# Altium PCB NG2093.PcbDoc (part 3 of 8) (continued)
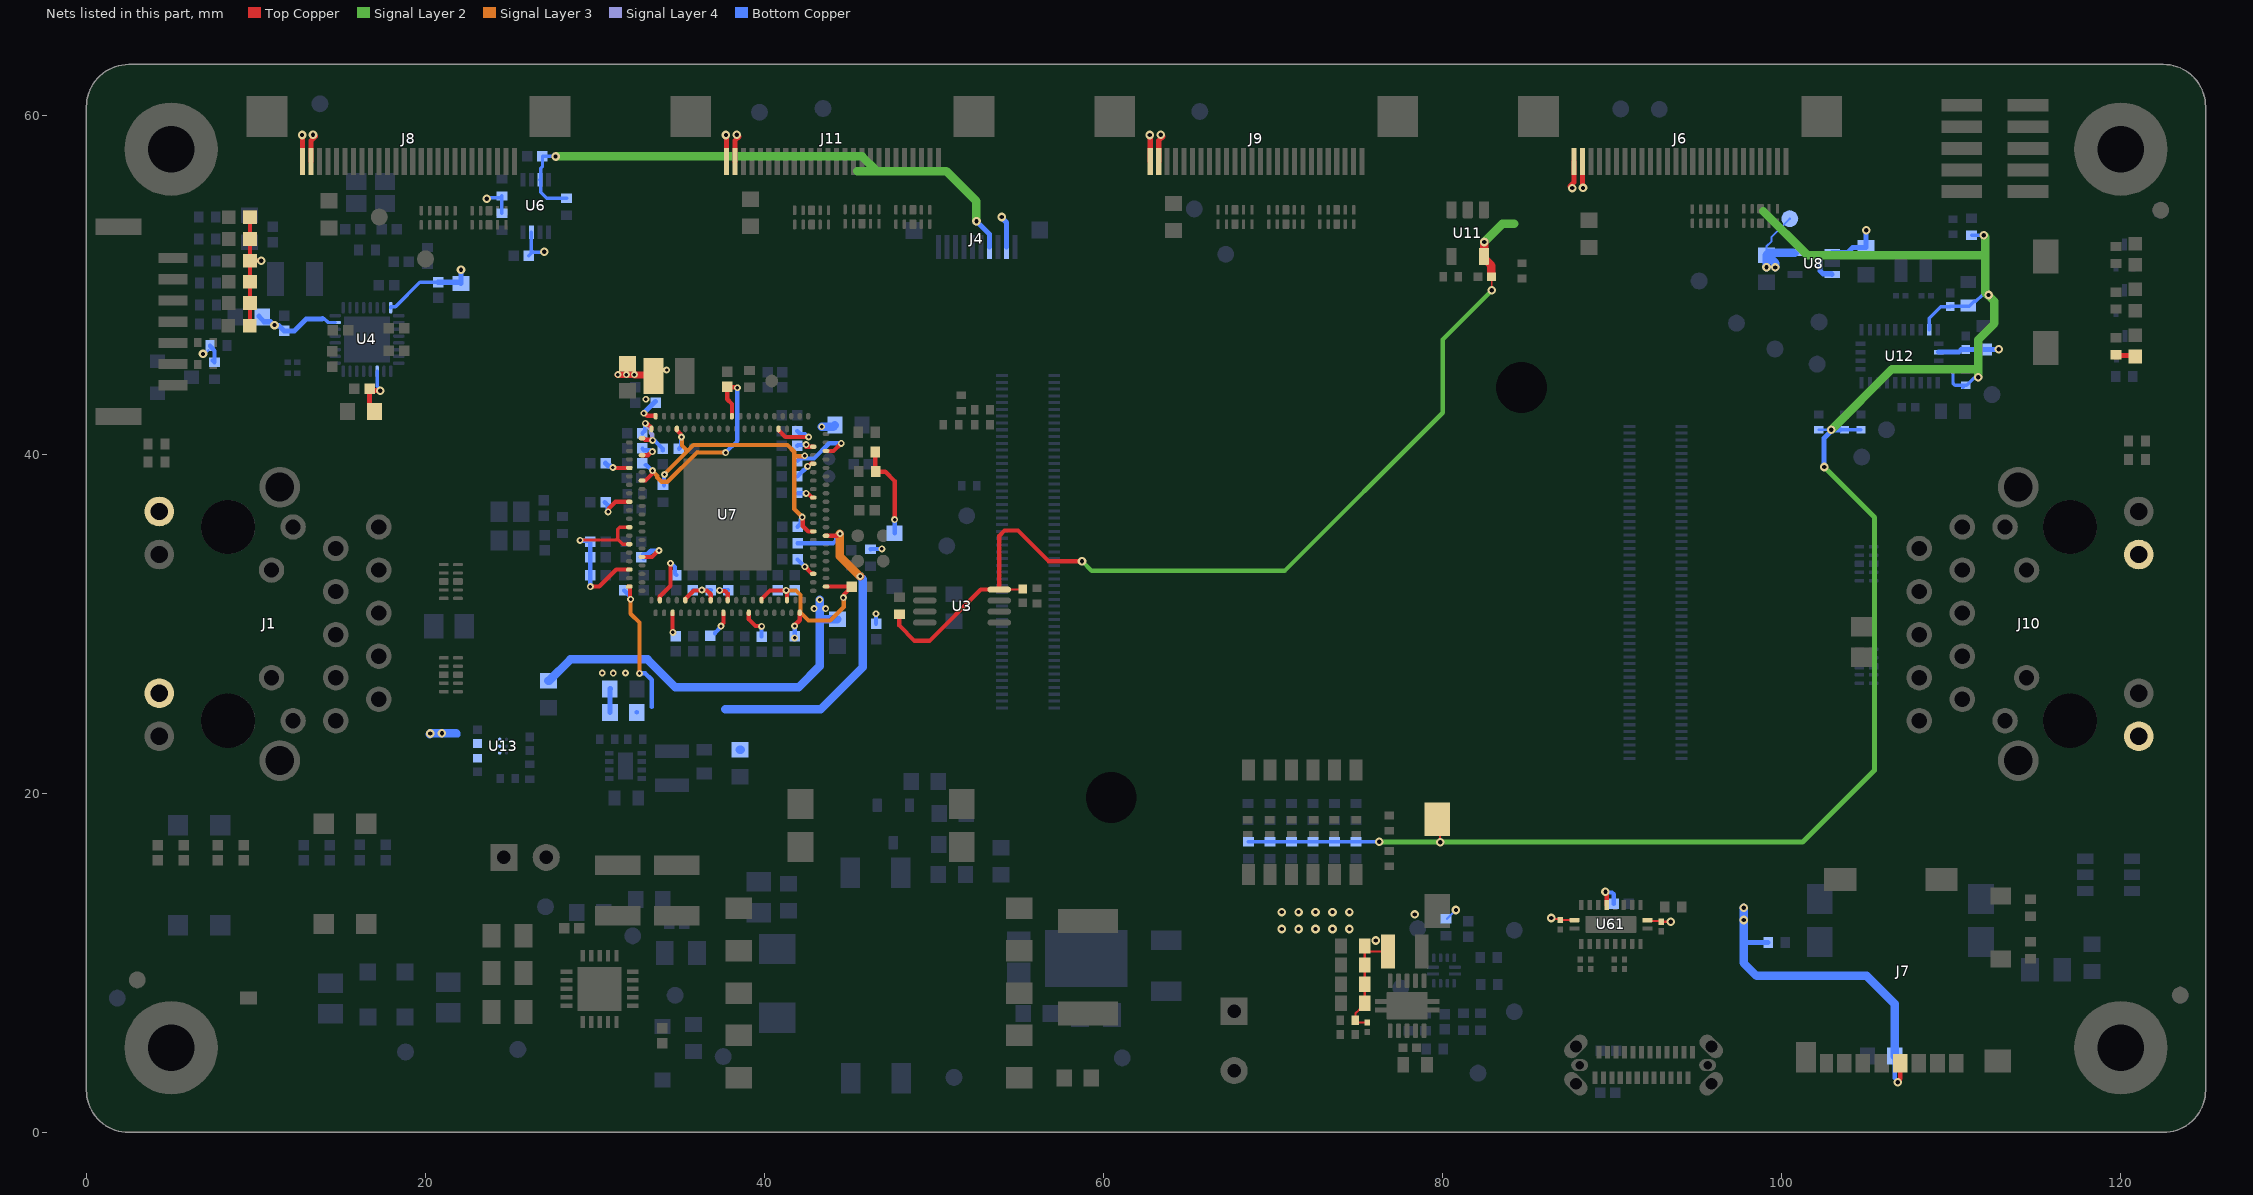
[diagram p7: the nets of this part, all layers, seen from the top]
## Part data (continued)
U6: library part TXS0102DCUR, "TEXAS INSTRUMENTS - TXS0102DCUR - IC, TRANSLATOR, 2 BIT, BI, US-8", Case/Package=VSSOP, High Level Output Current=-20uA, Low Level Output Current=1mA, Manufacturer 1="Texas Instruments", Max Operating Temperature=85°C, Max Supply Voltage=5.5V, Min Operating Temperature=-40°C, Min Supply Voltage=1.65V, Nominal Supply Current=14.4uA, Output Current=1A, Package Quantity=1, Supplier Part Number 1=296-21931-1-ND, Category="Logic Gates", ComponentLink1Description=https://datasheet.ciiva.com/15096/getdatasheetpartid-118249-15096172.pdf?src-supplier=Verical, ComponentLink1URL=https://datasheet.ciiva.com/15096/getdatasheetpartid-118249-15096172.pdf?src-supplier=Verical, ComponentLink2Description=https://datasheet.ciiva.com/22653/1846850-22653373.pdf?src-supplier=Farnell, ComponentLink2URL=https://datasheet.ciiva.com/22653/1846850-22653373.pdf?src-supplier=Farnell, ComponentLink3Description=https://datasheet.ciiva.com/1508/1857232-1508821.pdf?src-supplier=Element14, ComponentLink3URL=https://datasheet.ciiva.com/1508/1857232-1508821.pdf?src-supplier=Element14, ComponentLink4Description=https://datasheet.ciiva.com/1899/txs0102-1899368.pdf?src-supplier=Digi-Key, ComponentLink4URL=https://datasheet.ciiva.com/1899/txs0102-1899368.pdf?src-supplier=Digi-Key, ComponentLink5Description=https://datasheet.ciiva.com/1899/txs0102-1899369.pdf?src-supplier=Digi-Key, ComponentLink5URL=https://datasheet.ciiva.com/1899/txs0102-1899369.pdf?src-supplier=Digi-Key, ComponentLink6Description=https://datasheet.ciiva.com/1899/txs0102-1899370.pdf?src-supplier=Digi-Key, ComponentLink6URL=https://datasheet.ciiva.com/1899/txs0102-1899370.pdf?src-supplier=Digi-Key, ComponentLink7Description=https://datasheet.ciiva.com/14287/txs0102-14287516.pdf?src-supplier=Avnet, ComponentLink7URL=https://datasheet.ciiva.com/14287/txs0102-14287516.pdf?src-supplier=Avnet, ComponentLink8Description=https://datasheet.ciiva.com/28499/1863639-28499676.pdf?src-supplier=Element14, ComponentLink8URL=https://datasheet.ciiva.com/28499/1863639-28499676.pdf?src-supplier=Element14, ComponentLink9Description=https://datasheet.ciiva.com/14287/txs0102-14287518.pdf?src-supplier=Avnet, ComponentLink9URL=https://datasheet.ciiva.com/14287/txs0102-14287518.pdf?src-supplier=Avnet, ComponentLink10Description=https://datasheet.ciiva.com/46395/1863639-46395871.pdf?src-supplier=Element14, ComponentLink10URL=https://datasheet.ciiva.com/46395/1863639-46395871.pdf?src-supplier=Element14, Data Rate=24Mbps, Lead Free="Lead Free", Logic Function=Translator, Manufacturer Part Number 1=TXS0102DCUR, Number of Bits=2, Number of Channels=2, Number of Inputs=2, Number of Pins=8, Output Type=Voltage, Packaging="Tape and Reel", Pricing 1="1=0.75000, 10=0.65900, 25=0.61960, 100=0.50550, 250=0.46956, 500=0.39964, 1000=0.31971 (USD)", Propagation Delay=4.6ns, Quiescent Current=14.4uA, Radiation Hardening=No, REACH SVHC="No SVHC", RoHS=Yes, Stock 1=55123, Supplier 1=Digi-Key, Supplier 2=Newark, Supplier 3=Mouser, Supplier Part Number 2=30M1878, Supplier Part Number 3=595-TXS0102DCUR, Turn-On Delay Time=260ns, Weight=0.000339oz
U7: "Seven-port Gigabit Ethernet Switch", Manufacturer 1="Qualcomm Atheros", Manufacturer Part Number 1=AR8327N-AL1A, Supplier 1=KingTop, Supplier Part Number 1=AR8327N-AL1A
U8: "IC REG LINEAR 1.8V 200MA SC70-5 Linear Voltage Regulator IC  1 Output  200mA SC-70-5", Case/Package=SC, Dropout Voltage=175mV, Manufacturer 1="Texas Instruments", Manufacturer Part Number 1=TLV70018DCKR, Manufacturer Part Number 2=TLV70018DCKT, Max Input Voltage=5.5V, Max Operating Temperature=125°C, Max Output Current=200mA, Max Output Voltage=1.8V, Max Power Dissipation=320mW, Min Current Limit=220mA, Min Input Voltage=2V, Min Operating Temperature=-40°C, Nominal Supply Current=31uA, Output Voltage Accuracy=2%, Package Quantity=1, Quiescent Current=30uA, Supplier Part Number 1=296-32409-1-ND, Accuracy=2%, ComponentLink1Description=https://datasheet.ciiva.com/41462/001014631-da-01-en-ic-reg-ldo-1-8v-0-tlv70018dckr-sot-5-tid-41462480.pdf?src-supplier=Conrad, ComponentLink1URL=https://datasheet.ciiva.com/41462/001014631-da-01-en-ic-reg-ldo-1-8v-0-tlv70018dckr-sot-5-tid-41462480.pdf?src-supplier=Conrad, ComponentLink2Description=https://datasheet.ciiva.com/22700/1882059-22700171.pdf?src-supplier=Element14, ComponentLink2URL=https://datasheet.ciiva.com/22700/1882059-22700171.pdf?src-supplier=Element14, ComponentLink3Description=https://datasheet.ciiva.com/14149/tlv700-eng-ds-14149837.pdf?src-supplier=Distrelec, ComponentLink3URL=https://datasheet.ciiva.com/14149/tlv700-eng-ds-14149837.pdf?src-supplier=Distrelec, ComponentLink4Description=https://datasheet.ciiva.com/7992/1882059-7992894.pdf?src-supplier=Element14, ComponentLink4URL=https://datasheet.ciiva.com/7992/1882059-7992894.pdf?src-supplier=Element14, Contact Plating=Gold, Height=1mm, Lead Free="Lead Free", Length=2.15mm, Manufacturer 2="Texas Instruments", Min Output Voltage=1.8V, Nominal Output Voltage=1.8V, Number of Outputs=1, Number of Pins=5, Number of Regulators=1, Output Current=200mA, Output Type=Fixed, Output Voltage=1.8V, Packaging="Tape and Reel", Polarity=Positive, Power Dissipation=320mW, Power Rating=320mW, Pricing 1="1=0.48000, 10=0.40900, 100=0.30570, 500=0.24020, 1000=0.18561 (USD)", Pricing 2="1=0.55000, 10=0.46700, 100=0.34900 (USD)", Radiation Hardening=No, REACH SVHC="No SVHC", RoHS=Yes, Stock 1=63905, Stock 2=13188, Supplier 1=Digi-Key, Supplier 2=Digi-Key, Supplier Part Number 2=296-25269-1-ND, Width=1.4mm
U9: "Switching Regulator, Voltage-mode, 3A, 1000kHz Switching Freq-Max, PDSO10", Manufacturer 1="Texas Instruments", Manufacturer Part Number 1=TPS51313DRCT, Supplier Part Number 1=296-39625-1-ND, Category="Voltage Regulators - Switching", ComponentLink1Description=https://www.ti.com:443/lit/ds/symlink/tps51313.pdf?src-supplier=IHS+Markit, ComponentLink1URL=https://www.ti.com:443/lit/ds/symlink/tps51313.pdf?src-supplier=IHS+Markit, ComponentLink2Description=https://datasheet.ciiva.com/6606/tps51313-6606037.pdf?src-supplier=Digi-Key, ComponentLink2URL=https://datasheet.ciiva.com/6606/tps51313-6606037.pdf?src-supplier=Digi-Key, ComponentLink3Description=https://datasheet.ciiva.com/12221/slusb31-213375-12221240.pdf?src-supplier=Mouser, ComponentLink3URL=https://datasheet.ciiva.com/12221/slusb31-213375-12221240.pdf?src-supplier=Mouser, Pricing 1="1=4,35000, 10=3,90500, 25=3,69200, 100=3,19970 (USD)", RoHS=Yes, Stock 1=10, Supplier 1=Digi-Key
U11: "ANALOGUE SWITCH, SINGLE, SPST-NO, SOT-23; Analog Switch Type:SPST - NO; No. of Channels:1; On State Resistance Max:60ohm; Supply Voltage Range:1.65V to 5.5V; Analog Switch Case:SOT-23; No. of Pins:5; Operating Temperature Min:-40 C ;RoHS Compliant: Yes", Case/Package=SOT-23-5, High Level Output Current=128mA, Manufacturer 1="ON Semiconductor / Fairchild", Max Operating Temperature=85°C, Max Power Dissipation=200mW, Max Supply Current=10uA, Max Supply Voltage=5.5V, Min Operating Temperature=-40°C, Min Supply Voltage=1.65V, On-State Resistance=5R, Package Quantity=1, Quiescent Current=50nA, Voltage=5V, Category="Decoders and Multiplexers", ComponentLink1Description=https://datasheet.ciiva.com/4917/nc7sz66-98769-4917648.pdf?src-supplier=Mouser, ComponentLink1URL=https://datasheet.ciiva.com/4917/nc7sz66-98769-4917648.pdf?src-supplier=Mouser, ComponentLink2Description=https://datasheet.ciiva.com/15127/getdatasheetpartid-142529-15127273.pdf?src-supplier=Verical, ComponentLink2URL=https://datasheet.ciiva.com/15127/getdatasheetpartid-142529-15127273.pdf?src-supplier=Verical, ComponentLink3Description=https://datasheet.ciiva.com/34301/1021815-34301882.pdf?src-supplier=Jameco, ComponentLink3URL=https://datasheet.ciiva.com/34301/1021815-34301882.pdf?src-supplier=Jameco, ComponentLink4Description=https://datasheet.ciiva.com/1514/1751945-1514528.pdf?src-supplier=Element14, ComponentLink4URL=https://datasheet.ciiva.com/1514/1751945-1514528.pdf?src-supplier=Element14, ComponentLink5Description=https://datasheet.ciiva.com/2980/nc7sz66-2980326.pdf?src-supplier=Avnet, ComponentLink5URL=https://datasheet.ciiva.com/2980/nc7sz66-2980326.pdf?src-supplier=Avnet, ComponentLink6Description=https://datasheet.ciiva.com/26240/nc7sz66-26240518.pdf?src-supplier=Avnet+Europe, ComponentLink6URL=https://datasheet.ciiva.com/26240/nc7sz66-26240518.pdf?src-supplier=Avnet+Europe, ComponentLink7Description=https://datasheet.ciiva.com/1888/nc7sz66-1888140.pdf?src-supplier=Digi-Key, ComponentLink7URL=https://datasheet.ciiva.com/1888/nc7sz66-1888140.pdf?src-supplier=Digi-Key, ComponentLink8Description=https://datasheet.ciiva.com/1888/nc7sz66-1888141.pdf?src-supplier=Digi-Key, ComponentLink8URL=https://datasheet.ciiva.com/1888/nc7sz66-1888141.pdf?src-supplier=Digi-Key, ComponentLink9Description=https://datasheet.ciiva.com/1888/nc7sz66-1888142.pdf?src-supplier=Digi-Key, ComponentLink9URL=https://datasheet.ciiva.com/1888/nc7sz66-1888142.pdf?src-supplier=Digi-Key, Contact Plating=Tin,Matte, Height=1.3mm, Independent Circuits=1, Lead Free="Lead Free", Length=3mm, Manufacturer Part Number 1=NC7SZ66M5X, Mount="Surface Mount", Number of Bits=1, Number of Channels=1, Number of Circuits=1, Number of Inputs=1, Number of Outputs=1, Number of Pins=5, Packaging="Tape and Reel", Polarity=Non-Inverting, Power Dissipation=200mW, Pricing 1="1=0.39000, 10=0.32000, 25=0.29280, 100=0.21780, 250=0.19736, 500=0.16332, 1000=0.12249 (USD)", Radiation Hardening=No, REACH SVHC="No SVHC", RoHS=Yes, RoHS Compliant=Yes, Stock 1=12120, Supplier 1=Digi-Key, Supply Type=Single, Throw Configuration=SPST, Turn-Off Delay Time=9.2ns, Turn-On Delay Time=7ns, Weight=0.001058oz, Width=1.7mm
U12: "IMU ACCEL/GYRO/MAG I2C 32BIT", Case/Package=LGA, Manufacturer 1="Hillcrest Laboratories", Max Operating Temperature=85°C, Min Operating Temperature=-40°C, Supplier Part Number 1=1888-1006-1-ND, Category="Inertial Measurement Units (IMUs)", ComponentLink1Description=https://www.hillcrestlabs.com/downloads/bno080-datasheet?src-supplier=Digi-Key, ComponentLink1URL=https://www.hillcrestlabs.com/downloads/bno080-datasheet?src-supplier=Digi-Key, ComponentLink2Description=https://www.hillcrestlabs.com/downloads/bno080-migration-guide?src-supplier=Digi-Key, ComponentLink2URL=https://www.hillcrestlabs.com/downloads/bno080-migration-guide?src-supplier=Digi-Key, Manufacturer Part Number 1=BNO085, Mount="Surface Mount", Output Type=SPI,I2C, Packaging="Tape and Reel", Pricing 1="1=11.85000, 5=10.31200, 10=9.28100, 25=8.25000, 50=7.63120, 100=6.60000, 500=6.18750, 1000=5.77500 (USD)", RoHS=No, Sensor Type=Accelerometer,Gyroscope,Magnetometer, Stock 1=11593, Supplier 1=Digi-Key
U13: "IC REG LINEAR POS ADJ 1A 6WLCSP", Dropout Voltage=50mV, Manufacturer 1="ON Semiconductor", Max Junction Temp=+150°C, Max Supply Voltage=5.5V, Nominal Supply Current=35uA, Output Current=1A, Output Voltage=0.5-3V, Package=567MV, Temperature="to +150°C", Accuracy Percentage=1%, Automotive=No, Category=IC, ComponentLink2Description=Datasheet, ComponentLink2URL=https://www.onsemi.com/pub/Collateral/NCP139-D.PDF, Device Class L1="Integrated Circuits (ICs)", Device Class L2="Power Management ICs", Device Class L3="Voltage Regulators - Linear", Digikey Description="IC REG LINEAR POS ADJ 1A 6WLCSP", Footprint Url=https://www.onsemi.com/pub/Collateral/567MV.PDF, Height=0.33mm, Ipc Land Pattern Name=BGA6N40P2X3_120X80X33, Lead Free=Yes, Manufacturer Part Number 1=NCP139AFCTC05ADJT2G, Number of Outputs=1, Octopart=https://octopart.com/ncp139afctc05adjt2g-on+semiconductor-77040756, Output Type=AdjustableProgrammable, RoHS=TRUE, Standoff Height=0.04mm, Temperature Range High=+150°C
U14: "IC REG BUCK ADJ 1.2A SYNC 8WSON", Manufacturer 1="Texas Instruments", Manufacturer Part Number 1=TLV62080DSGR, Manufacturer Part Number 2=TLV62080DSGT, Max Input Voltage=5.5V, Max Operating Temperature=125°C, Max Output Current=1.2A, Max Output Voltage=4V, Min Input Voltage=2.5V, Min Operating Temperature=-40°C, Min Output Voltage=500mV, Nominal Supply Current=30uA, Package Quantity=3000, Supplier Part Number 1=296-39270-1-ND, Switching Frequency=2MHz, ComponentLink1Description=https://datasheet.ciiva.com/6604/tlv62080-6604087.pdf?src-supplier=Digi-Key, ComponentLink1URL=https://datasheet.ciiva.com/6604/tlv62080-6604087.pdf?src-supplier=Digi-Key, ComponentLink2Description=https://datasheet.ciiva.com/14378/tlv62080-14378282.pdf?src-supplier=Avnet, ComponentLink2URL=https://datasheet.ciiva.com/14378/tlv62080-14378282.pdf?src-supplier=Avnet, ComponentLink3Description=https://datasheet.ciiva.com/29732/tlv62080-29732147.pdf?src-supplier=Digi-Key, ComponentLink3URL=https://datasheet.ciiva.com/29732/tlv62080-29732147.pdf?src-supplier=Digi-Key, ComponentLink4Description=https://datasheet.ciiva.com/29732/tlv62080-29732156.pdf?src-supplier=Digi-Key, ComponentLink4URL=https://datasheet.ciiva.com/29732/tlv62080-29732156.pdf?src-supplier=Digi-Key, ComponentLink5Description=https://datasheet.ciiva.com/29732/tlv62080-29732151.pdf?src-supplier=Digi-Key, ComponentLink5URL=https://datasheet.ciiva.com/29732/tlv62080-29732151.pdf?src-supplier=Digi-Key, ComponentLink6Description=https://datasheet.ciiva.com/14378/tlv62080-14378283.pdf?src-supplier=Avnet, ComponentLink6URL=https://datasheet.ciiva.com/14378/tlv62080-14378283.pdf?src-supplier=Avnet, ComponentLink7Description=https://datasheet.ciiva.com/26104/tlv62080-26104460.pdf?src-supplier=Avnet+Europe, ComponentLink7URL=https://datasheet.ciiva.com/26104/tlv62080-26104460.pdf?src-supplier=Avnet+Europe, Contact Plating=Gold, Lead Free="Lead Free", Manufacturer 2="Texas Instruments", Min Supply Voltage=2.5V, Mount="Surface Mount", Number of Outputs=1, Number of Pins=8, Output Configuration=Positive, Output Current=1.2A, Output Type=Adjustable, Output Voltage=4V, Packaging="Tape and Reel", Pricing 1="1=1.35000, 10=1.20300, 100=0.93810, 500=0.77498, 1000=0.61182 (USD)", Pricing 2="1=1.48000, 10=1.32700, 100=1.06620 (USD)", Quiescent Current=30uA, Radiation Hardening=No, REACH SVHC="No SVHC", RoHS=Yes, Stock 1=93781, Stock 2=6366, Supplier 1=Digi-Key, Supplier 2=Digi-Key, Supplier Part Number 2=296-36759-1-ND, Synchronous Rectifier=Yes
U61: library part CBTL02043A, "Multiplexer And Demux/Decoder, CBT/FST/QS/5C/B Series, 1-Func, 2 Line Input, 1 Line Output, True Output, PQCC20", Manufacturer 1="NXP Semiconductors", Manufacturer Part Number 1=CBTL02043ABQ,115, Supplier Part Number 1=568-6678-1-ND, Category="Interface ICs", ComponentLink1Description=https://datasheet.ciiva.com:443/pdfs/VipMasterIC/IC/PHGL/PHGL-S-A0000727649/PHGL-S-A0000727649-1.pdf?src-supplier=IHS+Markit, ComponentLink1URL=https://datasheet.ciiva.com:443/pdfs/VipMasterIC/IC/PHGL/PHGL-S-A0000727649/PHGL-S-A0000727649-1.pdf?src-supplier=IHS+Markit, ComponentLink2Description=https://datasheet.ciiva.com/4921/cbtl02043a-cbtl02043b-87520-4921245.pdf?src-supplier=Mouser, ComponentLink2URL=https://datasheet.ciiva.com/4921/cbtl02043a-cbtl02043b-87520-4921245.pdf?src-supplier=Mouser, ComponentLink3Description=https://datasheet.ciiva.com/6637/cbtl02043a-cbtl02043b-6637066.pdf?src-supplier=Digi-Key, ComponentLink3URL=https://datasheet.ciiva.com/6637/cbtl02043a-cbtl02043b-6637066.pdf?src-supplier=Digi-Key, Pricing 1="1=1,77000, 10=1,63000 (USD)", RoHS=Yes, Stock 1=19938, Supplier 1=Digi-Key
U62: library part TUSB321RWBR, "IC USB PORT CONTROL TYPE-C 12X2Q", Manufacturer 1="Texas Instruments", Max Operating Temperature=70°C, Max Supply Voltage=5.5V, Min Operating Temperature=0°C, Min Supply Voltage=4.5V, Supplier Part Number 1=296-42400-1-ND, ComponentLink1Description=http://www.ti.com/general/docs/lit/getliterature.tsp?genericPartNumber=TUSB321&&fileType=pdf&src-supplier=Avnet+Asia, ComponentLink1URL=http://www.ti.com/general/docs/lit/getliterature.tsp?genericPartNumber=TUSB321&&fileType=pdf&src-supplier=Avnet+Asia, ComponentLink2Description=http://www.ti.com/general/docs/lit/getliterature.tsp?genericPartNumber=TUSB321&&fileType=pdf&src-supplier=Farnell, ComponentLink2URL=http://www.ti.com/general/docs/lit/getliterature.tsp?genericPartNumber=TUSB321&&fileType=pdf&src-supplier=Farnell, ComponentLink3Description=http://www.ti.com/lit/ds/symlink/tusb321.pdf?src-supplier=Digi-Key, ComponentLink3URL=http://www.ti.com/lit/ds/symlink/tusb321.pdf?src-supplier=Digi-Key, ComponentLink4Description=http://www.ti.com/general/docs/lit/getliterature.tsp?genericPartNumber=TUSB321&&fileType=pdf&src-supplier=Element14, ComponentLink4URL=http://www.ti.com/general/docs/lit/getliterature.tsp?genericPartNumber=TUSB321&&fileType=pdf&src-supplier=Element14, ComponentLink5Description=http://www.ti.com/general/docs/lit/getliterature.tsp?genericPartNumber=TUSB321&&fileType=pdf&src-supplier=Avnet, ComponentLink5URL=http://www.ti.com/general/docs/lit/getliterature.tsp?genericPartNumber=TUSB321&&fileType=pdf&src-supplier=Avnet, Contact Plating=Gold, Lead Free="Lead Free", Manufacturer Part Number 1=TUSB321RWBR, Mount="Surface Mount", Number of Pins=12, Number of Ports=1, Packaging="Tape and Reel", Pricing 1="1=2.27000, 10=2.04200, 100=1.64100, 500=1.34828, 1000=1.11714 (USD)", REACH SVHC="No SVHC", RoHS=Yes, Stock 1=7746, Supplier 1=Digi-Key, USB Standard="USB 3.1"
X1 X2: library part ECS-250-18-36B-CKY-TR, "CRYSTAL 25.0000MHZ 18PF SMD 25MHz ±10ppm Crystal 18pF 50 Ohms 4-SMD, No Lead", Manufacturer 1="ECS International", Supplier Part Number 1=XC3051CT-ND, Manufacturer Part Number 1=ECS-250-18-36B-CKY-TR, Pricing 1="1=0.48000, 10=0.39900, 50=0.35880, 100=0.31900, 500=0.30306 (USD)", RoHS=No, Stock 1=1111, Supplier 1=Digi-Key, Supplier 2=Mouser, Supplier 3=Arrow, Supplier Part Number 2=520-250-18-36B-CKYT, Supplier Part Number 3=ECS-250-18-36B-CKY-TR
Y1: "CRYSTAL 32.768kHz ±20ppm Crystal 12.5pF 90 kOhms 2-SMD, No Lead", Case/Package=SMD/SMT, ESR (Equivalent Series Resistance)=90kR, Frequency=32.768kHz, Frequency Tolerance=20ppm, Load Capacitance=12.5pF, Manufacturer 1=Abracon, Max Operating Temperature=85°C, Min Operating Temperature=-40°C, Supplier Part Number 1=535-14513-1-ND, ComponentLink1Description=http://www.farnell.com/datasheets/2614114.pdf?src-supplier=Farnell, ComponentLink1URL=http://www.farnell.com/datasheets/2614114.pdf?src-supplier=Farnell, ComponentLink2Description=https://abracon.com/datasheets/ABS06-127-32.768kHz-T.pdf?src-supplier=Digi-Key, ComponentLink2URL=https://abracon.com/datasheets/ABS06-127-32.768kHz-T.pdf?src-supplier=Digi-Key, ComponentLink3Description=http://www.farnell.com/datasheets/2614114.pdf?src-supplier=Newark, ComponentLink3URL=http://www.farnell.com/datasheets/2614114.pdf?src-supplier=Newark, Manufacturer Part Number 1=ABS06-127-32.768KHZ-T, Mount="Surface Mount", Packaging="Tape and Reel", Pricing 1="1=0.69000, 10=0.60700, 50=0.56760, 100=0.50160, 500=0.47520, 1000=0.39600 (USD)", RoHS=Yes, Stock 1=1640, Supplier 1=Digi-Key, Supplier 2=Digi-Key, Supplier 3=Mouser, Supplier 4=Verical, Supplier Part Number 2=535-14513-6-ND, Supplier Part Number 3=815-ABS0612732.768KT, Supplier Part Number 4=ABS06-127-32.768KHZ-T

## Via types
v1: diameter 0.508, hole 0.254, Top Copper to Bottom Copper, tented both sides, 835 vias
v2: diameter 0.406, hole 0.203, Top Copper to Bottom Copper, tented both sides, 150 vias
v3: diameter 0.406, hole 0.2, Top Copper to Bottom Copper, tented both sides, 76 vias
v4: diameter 0.254/0/0.254 (per signal layer), hole 0.102, Top Copper to Signal Layer 2, tented both sides, 51 vias
v5: diameter 0.5, hole 0.2, Top Copper to Bottom Copper, tented both sides, 24 vias
v6: diameter 0.406/0.406/0/0.406/0.406/0.406 (per signal layer), hole 0.2, Top Copper to Bottom Copper, tented both sides, 6 vias

## Nets (pads, with @x,y where several pads share a name; then routed paths per layer and width w, separated by ;. In a path a pad name is that pad's centre, name@x,y a point inside that pad or via, vN(x,y) a via of type N, cw(c..) or ccw(c..) an arc to the next point about the centre after c; other vN are vias at no path point)
1V2: C68.2 C80.2 C81.2 C82.2 C83.2 C84.2 C85.2 C86.2 C87.2 C129.2 FB5.1 L5.2 R64.2 U7.A20 U7.A53 U7.B1 U7.B50 U7.B54 U7.B56 U7.B61 U7.B76 | length 43
  Top Copper w0.25: U7.A20@31.95,32.2 U7.A20@32.025,32.2 32.07,32.2 32.07,31.48 v3(32.1,31.45) ; U7.B1@32.775,40.95 32.85,40.95 32.945,40.855 33.37,40.855 v2(33.4,40.825) ; v2(32.975,41.825) 33.005,41.795 33.105,41.795 33.325,41.575 U7.B76@33.325,41.5 ; U7.B61@40.825,41.5 40.825,41.425 41.225,41.025 v3(42.6,41.025) ; v3@42.45,40.45 U7.B56@42.875,40.45 ; v3(42.452,37.697) 42.482,37.667 42.583,37.667 42.8,37.45 U7.B50@42.875,37.45 ; v3(42.54,39.292) 42.582,39.292 42.74,39.45 U7.B54@42.875,39.45 ; U7.A53@43.625,35.2 43.844,35.2 44.283,35.2 44.408,35.325 v3(44.45,35.325)
  Top Copper w0.4: v3(31.35,44.7) v2(31.85,44.7) v2@32.302,44.7 ; v2(32.325,44.7) v2@32.302,44.7 ; L5.2@33.375,44.625 33.325,44.675 32.325,44.675 32.325,44.677 v2@32.302,44.7
  Signal Layer 3 w0.25: v3(32.1,31.45) 32.1,30.6 32.625,30.075 v2(32.625,27.075)
  Signal Layer 3 w0.5: v3(44.45,35.325) 44.45,33.984 v2(45.637,32.797)
  Signal Layer 4 w0.25: v2(32.975,41.825) 32.975,41.783 33.275,41.483 33.275,41.275 33.37,41.18 33.37,40.855 v2(33.4,40.825)
  Bottom Copper w0.25: C83.2@31.725,31.975 32.07,31.63 32.07,31.48 v3(32.1,31.45) ; FB5.1@32.465,24.775 FB5.1@32.465,24.805 ; v2(32.625,27.075) 32.641,27.091 32.959,27.091 33.35,26.7 33.35,25.1 ; C80.2@32.8,41.25 32.945,41.395 32.945,41.795 v2(32.975,41.825) ; v2(33.4,40.825) 33.43,40.795 33.53,40.795 C87.2@34,40.325 C87.2@34,40.225 ; C81.2@41.925,37.725 41.939,37.711 42.438,37.711 v3(42.452,37.697) ; C84.2@41.925,38.7 42.288,39.063 42.329,39.063 42.54,39.274 v3(42.54,39.292) ; C85.2@41.925,40.5 41.97,40.545 42.42,40.545 v3(42.45,40.575) ; C82.2@41.925,41.375 42.11,41.19 42.393,41.19 42.558,41.025 v3(42.6,41.025) ; C86.2@41.95,34.75 44.031,34.75 44.207,34.927 44.207,35.04 44.45,35.283 v3(44.45,35.325)
  Bottom Copper w0.5: 37.675,24.975 43.325,24.975 45.8,27.45 45.8,32.634 v2(45.637,32.797) ; R64.2@38.55,22.575 R64.2@38.6,22.575 ; v2(43.375,41.625) 44.05,41.625 C68.2@44.15,41.725
  other v3: 34.225,44.975
1V2_A: C69.2 C70.2 C78.2 C79.2 C88.2 C89.2 C97.2 C98.2 C99.2 C100.2 C101.2 C102.2 C103.2 C104.2 FB5.2 U7.A13 U7.A15 U7.A18 U7.A47 U7.A77 U7.B3 U7.B6 U7.B21 U7.B24 U7.B27 U7.B29 U7.B33 U7.B36 | length 45.8
  Top Copper w0.2: v6(29.123,34.927) 29.145,34.95 31.25,34.95 ; U7.A15@32.025,34.7 31.625,34.7 31.375,34.95 31.25,34.95 ; U7.A13@32.025,35.7 31.455,35.7 31.338,35.583 31.338,35.038 31.25,34.95
  Top Copper w0.25: v3(29.725,32.2) 30.25,32.2 31.25,33.2 U7.A18@32.025,33.2 ; U7.B6@32.775,38.45 32.975,38.45 33.364,38.839 33.364,39.012 v3(33.394,39.042) ; U7.B3@32.775,39.95 33.129,39.95 33.343,40.164 v2(33.385,40.164) ; U7.B21@33.825,31.4 33.825,31.625 34.45,32.25 v3(34.45,33.575) ; U7.B24@35.325,31.4 35.325,31.475 35.82,31.97 36.27,31.97 v3(36.3,32) 36.33,31.97 36.605,31.97 36.825,31.75 U7.B27@36.825,31.4 ; v3(37.35,31.975) 37.38,31.945 37.679,31.945 37.825,31.799 U7.B29@37.825,31.4 ; U7.A77@38.075,42.25 38.075,42.768 38.075,42.975 37.8,43.25 C98.2@37.8,43.975 37.825,43.95 38.375,43.95 v3(38.4,43.925) ; U7.B33@39.825,31.4 39.825,31.475 40.325,31.975 v3(41.275,31.975) 41.275,31.933 41.325,31.883 U7.B36@41.325,31.4 ; U7.A47@43.625,32.2 45.15,32.2 v2@44.68,31.73
  Signal Layer 3 w0.25: v3(33.394,39.042) 33.394,39 33.67,38.724 33.67,38.632 33.922,38.38 34.278,38.38 36.013,40.115 37.685,40.115 v2(37.7,40.1) ; v3(41.275,31.975) 41.278,31.972 41.853,31.972 42.125,31.7 42.125,30.675 42.6,30.2 43.875,30.2 44.675,31 44.675,31.525 v2(44.65,31.55)
  Bottom Copper w0.25: v6(29.123,34.927) 29.153,34.897 29.678,34.897 C89.2@29.725,34.85 C78.2@29.725,33.925 C103.2@29.725,32.875 v3(29.725,32.2) ; C79.2@32.8,40.325 32.89,40.235 33.285,40.235 33.356,40.164 v2(33.385,40.164) ; C88.2@33,39.375 33.019,39.375 33.352,39.042 v3(33.394,39.042) ; v3(34.45,33.575) 34.492,33.575 34.717,33.35 34.717,32.958 C70.2@34.8,32.875 ; C102.2@35.775,32 v3(36.3,32) C101.2@36.825,32 ; v3(37.35,31.975) 37.363,31.988 37.837,31.988 C104.2@37.85,32 ; v2(37.7,40.1) 38.395,40.795 38.395,43.92 v3(38.4,43.925) ; C97.2@40.775,31.975 v3(41.275,31.975) C100.2@41.775,31.975
  Bottom Copper w0.3: C69.2@30.875,26.15 C69.2@30.9,26.175 ; FB5.2@30.885,24.775 C69.2@30.885,26.14
  other v2: 31.075,27.1
  other v3: 30.425,27.1 31.8,27.1
1V8: B2.1 C52.2 C63.2 C64.2 C65.2 C92.2 C93.2 J4.7 R1.1 R2.2 R7.2 R9.2 R16.2 R43.2 R50.2 R60.2 R61.2 R83.2 R85.1 R86.1 R95.1 TP3.1 U3.8 U6.3 U8.5 U11.5 U12.5 U12.28 | length 205.9
  Top Copper w0.102: U3.8@53.85,32.025 55.2,32.025 C64.2@55.225,32.05 ; C65.2@82.875,50.475 82.9,50.45 v1(82.9,49.675)
  Top Copper w0.127: B2.1@79.675,18.475 79.85,18.3 v1(79.85,17.125)
  Top Copper w0.25: R43.2@47.95,30.575 47.95,29.9 48.85,29 49.725,29 52.75,32.025 U3.8@53.85,32.025 53.85,35.2 54.15,35.5 54.95,35.5 56.75,33.7 v1(58.725,33.7)
  Top Copper w0.5: v1(82.45,52.525) 82.448,52.523 82.448,51.696 U11.5@82.427,51.675 82.427,51.475 82.477,51.425 82.582,51.425 82.875,51.132 C65.2@82.875,50.475
  Signal Layer 2 w0.25: v1(58.725,33.7) 59.297,33.128 70.678,33.128 80,42.45 80,46.775 v1(82.9,49.675)
  Signal Layer 2 w0.3: v1(76.26,17.15) 76.273,17.137 79.838,17.137 v1(79.85,17.125) 101.227,17.125 105.465,21.363 105.465,36.285 v1(102.5,39.25)
  Signal Layer 2 w0.5: v1(27.674,57.57) 45.755,57.57 46.625,56.7 ; 45.475,56.7 46.625,56.7 ; v1(52.5,53.75) 52.5,54.925 50.725,56.7 46.625,56.7 ; v1(82.45,52.525) 83.525,53.6 84.225,53.6 ; 98.899,54.351 101.5,51.75 112,51.75 ; v1(102.928,41.45) 106.503,45.025 111.594,45.025 ; v1(111.594,44.548) 111.594,45.025 ; v1(111.918,52.925) v1(111.918,52.925) 112,52.841 112,51.75 ; v1@112.18,49.38 112,49.561 112,51.75 ; v1@112.197,49.397 112.2,49.397 112.202,49.396 112.202,49.359 112.544,49.017 112.544,47.719 111.594,46.769 111.594,45.025
  Bottom Copper w0.127: C63.2@99.1,51.75 99.1,52.275 99.4,52.575 99.4,52.825 TP3.1@100.475,53.9 ; R95.1@102.175,41.45 v1(102.928,41.45)
  Bottom Copper w0.2: v1(27.674,57.57) 27.669,57.575 27.5,57.575 C52.2@26.9,57.575 26.9,56.965 26.8,56.865 26.8,56.25 U6.3@26.75,56.2 26.794,56.156 26.794,55.45 27.144,55.1 R50.2@28.325,55.1 ; R16.2@68.535,17.15 R61.2@69.805,17.15 R60.2@71.075,17.15 R7.2@72.345,17.15 R9.2@73.615,17.15 R2.2@74.885,17.15 76.211,17.15 v1@76.26,17.101 ; v1@102.877,41.399 v1(102.928,41.45) 103.425,41.45 ; R86.1@103.7,41.45 103.425,41.45 ; R85.1@104.675,41.45 R86.1@103.425,41.45 ; U12.28@108.7,47.337 108.7,48.039 109.366,48.705 C93.2@109.938,48.705 ; U12.5@109.262,45.025 109.87,45.025 110.1,44.795 110.1,44.192 110.217,44.075 110.575,44.075 ; C93.2@109.938,48.725 111.05,48.725 111.35,49.025 111.454,49.025 111.823,49.394 112.194,49.394 v1(112.2,49.4) ; R83.2@110.71,43.94 110.575,44.075 ; R1.1@111.2,52.925 v1(111.918,52.925) ; v1(111.594,44.548) 111.535,44.489 111.314,44.489 110.9,44.075 R83.2@110.85,44.075 110.575,44.075
  Bottom Copper w0.3: v1(52.5,53.75) 53.264,52.986 53.264,52.233 J4.7@53.267,52.231 ; v1@76.26,17.101 v1(76.26,17.15) ; v1(102.5,39.25) 102.5,40.966 102.928,41.394 v1(102.928,41.45) R86.1@103.425,41.45
  Bottom Copper w0.5: v1(99.1,51.027) C63.2@99.1,51.75 ; v1(99.625,51.025) 99.623,51.027 99.623,51.277 99.15,51.75 C63.2@99.1,51.75 ; U8.5@100.775,51.9 100.625,51.9 100.61,51.885 99.235,51.885 C63.2@99.1,51.75
2V5: C67.2 C71.2 C72.2 C75.2 C77.2 R76.1 R94.2 U7.A63 U7.B41 U7.B46 U7.B73 | length 46
  Top Copper w0.25: U7.B73@34.825,41.5 34.825,41.425 v3@35.07,41.18 ; v3(42.225,36.3) 42.255,36.27 42.255,35.77 42.575,35.45 U7.B46@42.875,35.45 ; v3(42.378,33.371) 42.798,32.95 U7.B41@42.875,32.95 ; U7.A63@43.625,40.2 44.075,40.2 v2(44.525,40.65)
  Signal Layer 3 w0.25: v2(34.1,38.81) 34.1,38.85 35.475,40.225 ; v3(35.1,41.025) 35.13,40.995 35.13,40.52 35.425,40.225 35.475,40.225 ; v3(42.225,36.3) 41.75,36.775 41.75,39.875 ; v2(42.371,39.917) 42.342,39.888 41.763,39.888 41.75,39.875 ; 35.475,40.225 35.795,40.545 38.454,40.545 38.459,40.55 41.35,40.55 41.75,40.15 41.75,39.875
  Bottom Copper w0.25: R76.1@34.075,38.175 34.07,38.18 34.07,38.78 v2(34.1,38.81) ; C77.2@34.95,40.325 35.07,40.445 35.07,40.995 v3(35.1,41.025) ; C71.2@41.925,39.6 42.08,39.755 42.919,39.755 43.815,40.65 v2(44.525,40.65) ; C72.2@41.95,33.8 42.378,33.372 v3(42.378,33.371) ; C75.2@41.95,35.725 42.135,35.91 v3@42.135,36.168
  Bottom Copper w0.5: R94.2@27.25,26.65 27.3,26.65 28.55,27.9 33.1,27.9 34.725,26.275 42.025,26.275 43.25,27.5 43.25,30.2 ; v3(43.25,31.425) 43.25,30.2 ; C67.2@44.3,30.275 43.325,30.275 43.25,30.2
  other v3: 42.925,30.9 43.6,30.9
3V3: C18.2 C19.2 C20.1 C21.2 C29.1 C30.1 C31.2 C34.2 C38.2 C39.2 C40.2 C41.2 C53.2 C55.2 C56.1 C57.1 C58.2 C62.2 C74.2 C90.2 C91.2 C105.2 C106.2 C107.2 C108.2 C109.2 C130.2 C131.2 C132.2 C133.2 D1.2 D13.2 D16.2 D19.2 D20.2 D21.2 D29.1 J1.15 J1.17 J4.9 J6.25 J6.26 J7.4 J8.25 J8.26 J9.25 J9.26 J10.15 J10.17 J11.25 J11.26 L3.2 R28.1 R29.1 R46.1 R49.1 R57.2 R68.2 R89.1 R90.2 R91.2 R186.2 U4.11 U4.23 U4.32 U6.7 U7.A6 U7.A10 U7.A27 U7.A33 U7.A36 U7.A42 U7.A86 U7.B15 U8.1 U8.3 U12.3 U13.A2 U13.B2 U13.C2 U61.1 U61.6 U61.10 | length 106.2
  Top Copper w0.127: C56.1@75.4,11 C56.1@75.4,10.962 ; C31.2@75.55,6.48 74.995,6.48 R68.2@74.85,6.625 74.85,7.014 75.074,7.238 75.113,7.238 75.4,7.525 C57.1@75.4,7.625 C30.1@75.4,8.75 C29.1@75.4,9.875 C56.1@75.4,10.962 ; L3.2@76.775,10.675 75.687,10.675 C56.1@75.4,10.962 ; v1(86.4,12.65) 86.46,12.59 86.865,12.59 C18.2@86.925,12.53 86.928,12.527 87.773,12.527 U61.10@87.775,12.525 ; U61.1@92.075,12.525 92.122,12.477 92.853,12.477 C19.2@92.9,12.43 92.902,12.428 93.447,12.428 v1(93.45,12.425)
  Top Copper w0.25: D13.2@9.625,47.575 9.65,47.6 D20.2@9.65,48.925 D1.2@9.65,51.413 ; D19.2@9.65,53.987 D16.2@9.65,52.7 D1.2@9.65,51.413 ; v1(10.317,51.427) 9.665,51.427 D1.2@9.65,51.413 ; v3(30.774,36.606) 30.804,36.636 30.804,36.792 31.212,37.2 U7.A10@32.025,37.2 ; v6(31.05,39.225) 31.075,39.2 U7.A6@32.025,39.2 ; U7.B15@32.775,33.95 33.358,33.95 33.733,34.325 v3(33.775,34.325) ; v3(32.882,42.425) 32.925,42.425 33.075,42.275 U7.A86@33.575,42.275 ; U7.A86@33.575,42.25 U7.A86@33.575,42.275 ; U7.A86@33.575,42.325 U7.A86@33.575,42.275 ; U7.A27@34.575,30.65 34.575,29.517 v6(34.592,29.5) ; v6(37.433,29.87) 37.433,29.913 37.575,30.055 U7.A33@37.575,30.65 ; U7.A36@39.075,30.65 39.075,30.266 39.461,29.88 39.795,29.88 v3(39.825,29.85) ; v3(41.775,29.875) 41.775,29.917 42.075,30.217 42.075,30.503 U7.A42@42.075,30.65 ; R91.2@46.523,40.144 46.537,40.131 46.537,38.988 R90.2@46.55,38.975 47.125,38.975 47.675,38.425 v2(47.675,36.15) ; v1(89.6,14.2) 89.6,14.13 89.675,14.055 U61.6@89.675,13.425 ; v1(106.846,2.958) 106.846,3.028 106.988,3.17 J7.4@106.988,4.088
  Top Copper w0.3: v1@12.739,58.655 12.75,58.644 J8.26@12.75,57.275 ; J8.25@13.25,57.275 13.25,58.5 v1@13.5,58.75 ; C39.2@17,42.525 16.701,42.824 C41.2@16.701,43.874 16.821,43.754 v1(17.325,43.754) ; v1@37.739,58.655 37.75,58.644 J11.26@37.75,57.275 ; J11.25@38.25,57.275 38.25,58.5 v1@38.5,58.75 ; v1@62.739,58.655 62.75,58.644 J9.26@62.75,57.275 ; J9.25@63.25,57.275 63.25,58.5 v1@63.5,58.75 ; v1@87.5,55.8 87.75,56.05 J6.26@87.75,57.275 ; J6.25@88.25,57.275 88.25,55.906 v1@88.261,55.895
  Bottom Copper w0.127: v1(6.88,45.921) 6.983,45.921 R29.1@7.198,46.137 ; R186.2@80.25,12.6 80.775,13.125 v1(80.781,13.125)
  Bottom Copper w0.2: 13.93,47.998 14.031,47.998 14.255,47.775 U4.23@14.675,47.775 ; U4.11@17.15,44.9 17.15,44.012 17.325,43.838 v1(17.325,43.754) ; U4.32@17.95,48.65 17.95,48.708 18.233,48.708 19.675,50.15 C40.2@20.75,50.15 ; v1(23.62,55.068) 23.679,55.127 24.395,55.127 R46.1@24.5,55.233 ; R49.1@24.5,54.225 R46.1@24.5,55.233 ; R46.1@24.51,55.242 R46.1@24.5,55.233 ; C53.2@26.094,51.713 C53.2@26.25,51.869 ; U6.7@26.25,53.1 C53.2@26.25,51.869 ; v1(27,51.95) 26.973,51.923 26.304,51.923 C53.2@26.25,51.869
  Bottom Copper w0.25: R28.1@7.438,45.537 R28.1@7.55,45.425 7.55,46.11 7.288,46.371 R29.1@7.288,46.421 R29.1@7.438,46.271 ; C109.2@30.575,37.175 30.76,36.99 30.744,36.99 30.744,36.636 v3(30.774,36.606) ; v6(34.592,29.5) 34.592,29.458 C107.2@34.613,29.438 ; C131.2@37.075,29.425 37.075,29.47 37.433,29.828 v6(37.433,29.87) ; C108.2@39.825,29.25 v3(39.825,29.85) ; C106.2@41.775,29.275 v3(41.775,29.875) ; R89.1@46.25,34.4 46.262,34.412 46.912,34.412 v2(46.925,34.425) ; C105.2@46.575,30 v2(46.575,30.6) ; D29.1@47.675,35.35 v2(47.675,36.15) ; v1@89.6,14.13 v1(89.6,14.2) 89.649,14.151 89.985,14.151 90.088,14.048 C74.2@90.088,13.482 ; C55.2@106.658,4.5 106.658,3.216 106.846,3.028 v1(106.846,2.958)
  Bottom Copper w0.3: C21.2@10.188,48.169 10.188,48.12 10.488,47.82 10.844,47.82 11.04,47.624 v1(11.096,47.624) 11.136,47.584 11.359,47.584 C34.2@11.657,47.286 12.279,47.286 12.969,47.977 13.89,47.977 13.93,48.016 ; C40.2@20.75,50.15 22.025,50.15 C38.2@22.089,50.086 ; 21.828,23.537 21.928,23.437 ; v1@22.089,50.966 C38.2@22.089,50.086 ; C38.2@22.1,50.075 C38.2@22.089,50.086 ; C132.2@30.625,39.475 30.785,39.315 30.931,39.315 31.021,39.225 v6(31.05,39.225) ; C133.2@32.876,33.875 32.876,34.076 32.885,34.085 33.086,34.085 33.306,34.305 33.755,34.305 v3(33.775,34.325) ; v3(32.882,42.425) 32.882,42.432 C130.2@33.575,43.125 ; v1(54,54) 54,53.944 54.267,53.677 J4.9@54.267,52.231 ; 97.75,11.14 97.81,11.2 R57.2@99.2,11.2 ; U8.3@102.975,50.6 102.925,50.65 102.426,50.65 102.25,50.826 102.25,51.674 102.426,51.85 102.925,51.85 U8.1@102.975,51.9 103.886,51.9 104.186,52.2 C62.2@104.975,52.2 v1(104.975,53.225) v1@105,53.25 ; U12.3@109.262,46.025 110.437,46.025 110.587,46.175 C90.2@111.95,46.175 112.775,46.175 v1(112.8,46.2)
  Bottom Copper w0.5: v1@20.25,23.5 v1(20.287,23.537) 21.828,23.537 ; v1(97.75,13.25) v1(97.75,12.531) 97.75,11.14 97.75,10 98.512,9.238 105.012,9.238 106.658,7.592 C55.2@106.658,4.5
  other v1: 76.05,11.325 70.5,12 71.5,12 72.5,12 73.5,12 74.5,12 78.345,12.861 70.5,13 71.5,13 72.5,13 73.5,13 74.5,13 20.972,23.551 22.094,50.896 87.636,55.706 88.279,55.714 12.721,58.836 13.364,58.844 37.721,58.836 38.364,58.844 62.721,58.836 63.364,58.844
  other v2: 33,43.25
  other v3: 41.775,29.175
5V_LED: D6.2 R55.1 | length 1.2
  Top Copper w0.3: R55.1@119.725,45.881 119.781,45.825 120.794,45.825 D6.2@120.85,45.769